# Altium PCB STM32F407Z_pcb.PcbDoc (part 1 of 2) (continued)
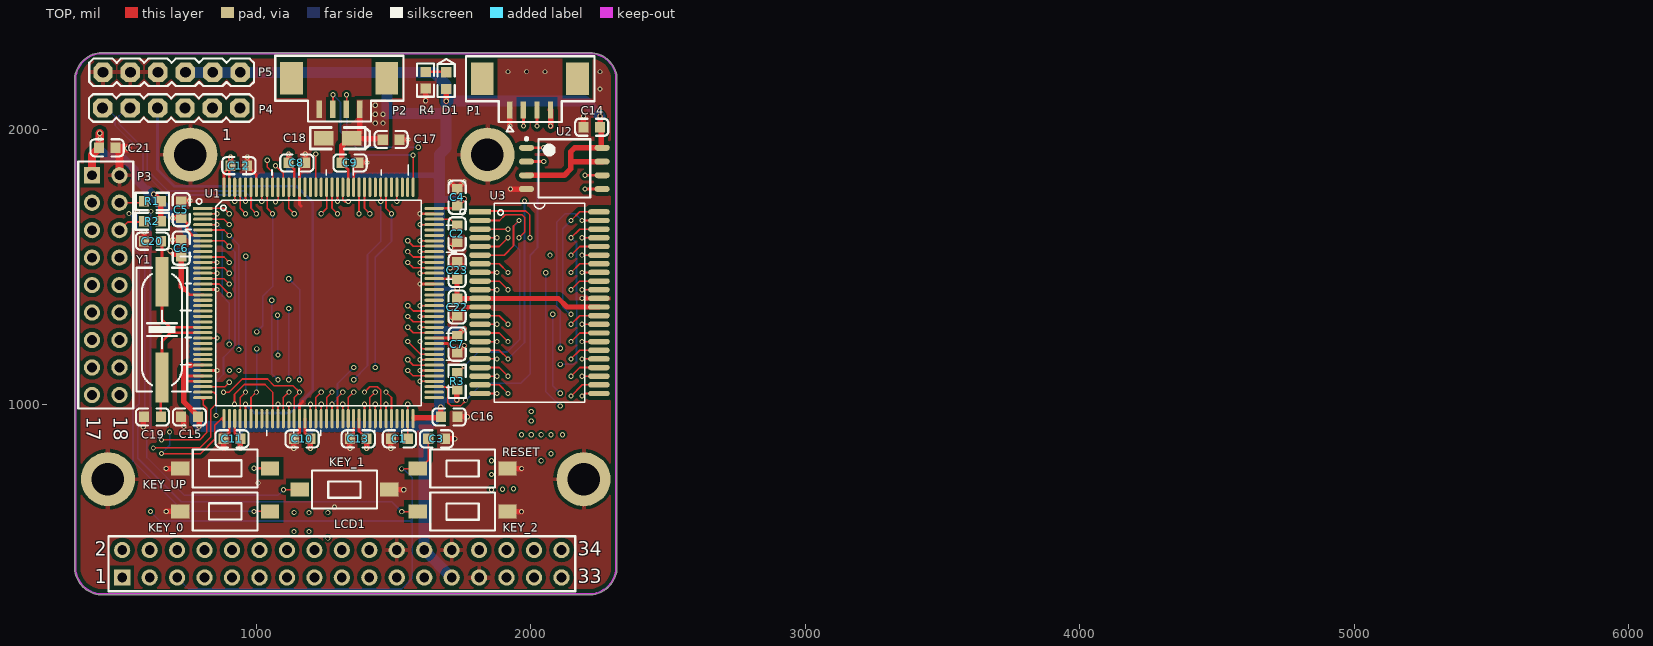
[diagram p0: TOP view]
## Free pads (board coordinates) (continued)
  round 10 on Mech1: 1(3096.07,887.23) 1(3096.07,887.23) 1(3096.07,887.23) 1(3096.07,997.08) 1(3096.07,1106.92) 1(3096.07,1216.76) 1(3096.07,1326.6) 1(3096.07,1436.45) 1(3096.07,1546.29) 1(3096.07,1656.13) 1(3096.07,1656.13) 1(5183.08,887.23) 1(5183.08,887.23) 1(5183.08,887.23) 1(5183.08,997.08) 1(5183.08,1106.92) 1(5183.08,1216.76) 1(5183.08,1326.6) 1(5183.08,1436.45) 1(5183.08,1546.29) 1(5183.08,1656.13) 1(5183.08,1656.13)

## Via types
v1: diameter 19, hole 12, TOP to BOT, tented both sides, 235 vias
v2: diameter 18, hole 12, TOP to BOT, tented both sides, 23 vias
v3: diameter 19.02, hole 12, TOP to BOT, tented both sides, 1 vias

## Nets (pads, with @x,y where several pads share a name; then routed paths per layer and width w, separated by ;. In a path a pad name is that pad's centre, name@x,y a point inside that pad or via, vN(x,y) a via of type N, cw(c..) or ccw(c..) an arc to the next point about the centre after c; other vN are vias at no path point)
5V: 
ADC1_CH1: P4.1 U1.35 | length 2366
  TOP w6: v2(625,842) 794,842 834,882 834,982 853.76,1001.76 853.76,1035.47 845,1044.24 806.7,1044.24 U1.35@805.74,1045.2
  ART02 w6: v2(625,842) 535,842 445,932 445,1909 494,1958 494,2114 495,2115 495,2129 526,2160 845.17,2160 925.17,2080 P4.1@940.74,2080
ADC1_CH2: P4.2 U1.36 | length 2065.8
  TOP w6: v2(655,871) 656,872 794,872 820,898 820,986 807,999 807,1024.25 U1.36@805.74,1025.51
  ART02 w6: v2(655,871) 560,871 459,972 459,1864 489,1894 542,1894 592,1944 592,2117 620,2145 762.27,2145 827.27,2080 P4.2@840.74,2080
ADC1_CH3: P4.3 U1.37 | length 1796.9
  TOP w6: v2@655,823 657,821 797,821 849.38,873.38 849.38,924.38 873.54,948.54 882.32,948.54 U1.37@882.51,948.74
  ART02 w6: v2(685,900) 655,900 645,890 579,890 545,924 545,1629 591,1675 591,1896 636,1941 636,1975 740.74,2079.74 P4.3@740.74,2080
  BOT w6: v2(655,822) 685,852 v2(685,900)
DAC2_OUT: P4.4 U1.41 | length 1867.9
  TOP w6: U1.41@961.25,948.74 v1@961.25,1000.32
  BOT w6: P4.4@640,2079.26 P4.4@640.74,2080
  BOT w10: P4.4@640.74,2080 640.74,1856.26 702,1795 1147,1795 1206.08,1735.92 1206.08,1052.08 1123,969 993.25,969 v1(961.25,1001)
DCMI_D0: P3.8 U1.96 | length 1711.5
  TOP w6: v1@1596.69,1478.27 v1(1597,1478.27) U1.96@1648.26,1478.27
  ART03 w6: P3.8@502,1535 622,1535 698.6,1458.4 v1(1118.73,1458.4) ; v1(1158.1,1090) 1158.1,1136.1 1500.27,1478.27 v1(1597,1478.27)
  BOT w6: v1(1118.73,1458.4) 1158.1,1419.03 v1(1158.1,1090)
DCMI_D1: P3.9 U1.97 | length 1788.6
  TOP w6: v1(1551.8,1517.64) 1571.49,1497.95 U1.97@1648.26,1497.95
  ART03 w6: P3.9@402,1435 452,1485 617,1485 722,1380 v1(1057,1380) ; v1(1079.36,1090.39) 1079.36,1118.58 1478.42,1517.64 v1(1551.8,1517.64)
  BOT w6: v1(1057,1380) 1057,1112.76 v1(1079.36,1090.39)
DCMI_D2: P3.10 U1.98 | length 1641.2
  TOP w6: v1@1596.69,1517.64 v1(1597,1517.64) U1.98@1648.26,1517.64
  ART03 w6: P3.10@502,1435 629,1435 714,1350 v1(1118.73,1350) ; v1(1118.73,1090.39) 1118.73,1126.73 1272.67,1280.67 1487,1495 1574.36,1495 v1(1597,1517.64)
  BOT w6: v1@1116.6,1090.39 v1@1117.67,1091.46 ; v1(1118.73,1090.39) v1(1118.73,1350)
DCMI_D3: P3.11 U1.99 | length 1597.5
  TOP w6: v1(1551.8,1557.01) 1571.49,1537.32 U1.99@1648.26,1537.32
  ART03 w6: P3.11@402,1335 447,1380 645,1380 700,1325 v1(1077.98,1325) v1@1079.36,1326.38 ; v1@1078.57,1181.57 1454.01,1557.01 v1(1551.8,1557.01)
  BOT w6: v1(1077.98,1325) 1078.67,1324.31 1078.67,1181.48 v1(1079.36,1180.79)
DCMI_D4: P3.12 U1.112 | length 1392.3
  TOP w6: v1@1512.43,1739.68 v1(1512.43,1740) U1.112@1512.43,1791.26
  ART03 w6: P3.12@502,1335 652,1335 682,1305 1110,1305 1263.5,1458.5 1263.5,1693.5 1285,1715 1487.43,1715 v1(1512.43,1740)
DCMI_D5: P3.13 U1.136 | length 1203.9
  TOP w6: U1.136@1039.99,1791.26 1039.99,1714.49 v1(1059.68,1694.8)
  ART03 w6: P3.13@402,1235 452,1285 664.8,1285 680.3,1269.5 936.5,1269.5 954,1252 999,1252 1002,1255 v1(1002,1264.69)
  BOT w6: v1(1002,1264.69) 1024,1286.69 1024,1394 1059.68,1429.68 v1(1059.68,1694.8)
DCMI_D6: P3.14 U1.4 | length 1205.8
  TOP w6: U1.4@805.74,1655.43 v1(857,1655.43) v1@857.32,1655.43
  ART03 w6: P3.14@502,1235 540,1235 555,1220 568,1220 575.8,1220 581,1225.2 581,1263.71 586.2,1268.91 601.8,1268.91 607,1263.71 607,1225.2 612.2,1220 627.8,1220 633,1225.2 633,1253.11 638.2,1258.31 653.8,1258.31 659,1253.11 659,1225.2 664.2,1220 679.8,1220 685,1225.2 685,1244.71 690.2,1249.91 705.8,1249.91 711,1244.71 711,1225.2 716.2,1220 731.8,1220 737,1225.2 737,1244.71 742.2,1249.91 757.8,1249.91 763,1244.71 763,1225.2 768.2,1220 783.8,1220 789,1225.2 789,1244.71 794.2,1249.91 809.8,1249.91 815,1244.71 815,1225.2 820.2,1220 883,1220 v1(901.7,1220) v1@902.7,1220
  BOT w6: v1(857,1655.43) 877,1635.43 877,1395 902,1370 902,1220.7 v1@902.7,1220
DCMI_D7: P3.15 U1.5 | length 1204.4
  TOP w6: U1.5@805.74,1635.75 882.51,1635.75 v1(902.2,1616.06)
  ART03 w6: P3.15@402,1135 452,1185 610.74,1185 625.74,1200 644,1200 657,1200 677.8,1200 683,1194.8 683,1172.28 688.2,1167.08 703.8,1167.08 709,1172.28 709,1194.8 714.2,1200 729.8,1200 735,1194.8 735,1172.28 740.2,1167.08 755.8,1167.08 761,1172.28 761,1194.8 766.2,1200 805,1200 936.91,1200 v1(937,1200.09)
  BOT w6: v1(902.2,1616.06) 937,1581.26 v1(937,1200.09) v1@936.91,1200
DCMI_HREF: P3.5 U1.40 | length 1206.6
  TOP w6: U1.40@941.57,948.74 941.57,1025.51 v1(961.25,1045.2)
  ART03 w6: P3.5@402,1635 412.15,1624.85 412.15,1612.01 429.69,1594.47 554.53,1594.47 569,1580 707,1580 747,1540 v1(962,1540)
  BOT w6: v1(961.25,1045.2) 962,1045.94 v1(962,1540)
DCMI_PCLK: P3.16 U1.42 | length 1205.6
  TOP w6: U1.42@980.94,948.74 980.94,1025.51 v1(1000.62,1045.2)
  ART03 w6: P3.16@502,1135 552,1135 565,1135 585.8,1135 591,1129.8 591,1065.18 596.2,1059.98 611.8,1059.98 617,1065.18 617,1129.8 622.2,1135 637.8,1135 643,1129.8 643,1065.18 648.2,1059.98 663.8,1059.98 669,1065.18 669,1129.8 674.2,1135 689.8,1135 695,1129.8 695,1065.18 700.2,1059.98 715.8,1059.98 721,1065.18 721,1129.8 726.2,1135 737,1135 788,1135 833,1180 979.32,1180 v1(1002,1202.68)
  BOT w6: v1(1000.62,1045.2) 1002,1046.57 v1(1002,1202.68) v1@1002,1204.06
DCMI_PWDN: P3.18 U1.124 | length 1307.9
  TOP w6: U1.124@1276.21,1791.26 1276.21,1714.49 v1(1295.9,1694.8)
  ART03 w6: P3.18@502,1035 735,1035 859,1159 992.5,1159 1295.9,1462.4 v1(1295.9,1694.8)
DCMI_RESET: P3.7 U1.132 | length 1013.7
  TOP w6: U1.132@1118.73,1791.26 1118.73,1714.49 v1(1138.42,1694.8)
  ART03 w6: P3.7@402,1535 412.15,1545.15 412.15,1555.15 432.53,1575.53 538.62,1575.53 557.15,1557 645,1557 703.86,1498.14 1004.16,1498.14 1138.42,1632.39 v1(1138.42,1694.8)
DCMI_SCL: P3.4 R1.1 U1.122 | length 1052
  TOP w6: P3.4@502,1735 R1.1@586.69,1735 ; U1.122@1315.58,1791.26 1315.58,1744.09 1322.19,1737.49 1333.5,1737.49 v1(1335.27,1739.25)
  ART03 w6: P3.4@502,1735 556,1789 913.83,1789 937.83,1765 1137,1765 1162,1790 1284.52,1790 v1(1335.27,1739.25)
DCMI_SDA: P3.6 R2.1 U1.123 | length 1088.5
  TOP w6: P3.6@502,1635 531.67,1664.67 R2.1@588.86,1664.67 ; v1@1295.9,1739.68 v1(1295.9,1740) U1.123@1295.9,1791.26
  ART03 w6: P3.6@502,1635 537,1635 563,1609 603,1609 613.5,1619.5 763.5,1619.5 786.44,1596.56 1074.56,1596.56 1113.5,1635.5 1113.5,1706.5 1169,1762 1273.9,1762 v1(1295.9,1740)
DCMI_VSYNC: P3.3 U1.137 | length 1233.8
  TOP w6: v1@1020.31,1739.68 v1(1020.31,1740) U1.137@1020.31,1791.26
  ART03 w6: P3.3@402,1735 407,1735 455,1687 508,1687 546,1649 603,1649 609.53,1642.47 631,1642.47 638.8,1642.47 644,1647.67 644,1667.27 649.2,1672.47 664.8,1672.47 670,1667.27 670,1647.67 675.2,1642.47 691,1642.47 717,1642.47 724.8,1642.47 730,1647.67 730,1675.48 735.2,1680.68 750.8,1680.68 756,1675.48 756,1647.67 761.2,1642.47 764,1642.47 775,1642.47 776.53,1642.47 783.07,1635.93 793,1635.93 800.8,1635.93 806,1641.13 806,1655.8 811.2,1661 826.8,1661 832,1655.8 832,1641.13 837.2,1635.93 850,1635.93 920,1635.93 927.8,1635.93 933,1641.13 933,1660.73 938.2,1665.93 953.8,1665.93 959,1660.73 959,1641.13 964.2,1635.93 979.8,1635.93 985,1641.13 985,1660.73 990.2,1665.93 1005.8,1665.93 1011,1660.73 1011,1641.13 1016.2,1635.93 1031.8,1635.93 1037,1641.13 1037,1660.73 1042.2,1665.93 1057.8,1665.93 1063,1660.73 1063,1641.13 1068.2,1635.93 1077.93,1635.93 1078,1636 1087.87,1636 1093,1641.13 1093,1711 1087,1717 1043.31,1717 v1(1020.31,1740)
DCMI_XCLK: P3.17 U1.100 | length 1508
  TOP w6: v1(1597,1557.01) U1.100@1648.26,1557.01
  ART03 w6: P3.17@402,1035 457,980 743.76,980 866.76,1103 1034.76,1103 1468.9,1537.14 1570.93,1537.14 1588.32,1554.52 1594.51,1554.52 v1(1597,1557.01)
F_CS: U1.75 U2.1 | length 1361.3
  TOP w6: U1.75@1648.26,1064.88 1649.22,1063.92 1690.08,1063.92 1698,1056 1698,1007 1710,995 1744,995 v2@1763,1014
  TOP w10: U2.1@1984.6,1935 v1(2047,1935)
  BOT w6: v2(1763,1016) 1824,1077 1964,1077 1998,1111 1998,1544 2024.76,1570.76 2024.76,1912.76 v1(2047,1935)
FSMC_A0: U1.10 U3.5 | length 1280.8
  TOP w6: U1.10@805.74,1537.32 882.51,1537.32 v1(902.2,1517.64) ; U3.5@1815.31,1575.67 1885.5,1575.67 v1(1917,1607.16)
  ART02 w6: v1(902.2,1517.64) 902.77,1517.07 1505.93,1517.07 1526,1537.14 1635.14,1537.14 1696,1598 1846,1598 1857,1587 1896.84,1587 v1(1917,1607.16)
FSMC_A1: U1.11 U3.4 | length 1184.3
  TOP w6: U1.11@805.74,1517.64 v1(857,1517.64) v1@857.32,1517.64 ; U3.4@1815.31,1607.17 v1(1877,1607.17)
  ART02 w6: v1(857,1517.64) 881.36,1542 914,1542 948.63,1576.63 1466.41,1576.63 1466.48,1576.69 1645.69,1576.69 1693,1624 1860.17,1624 v1(1877,1607.17)
FSMC_A2: U1.12 U3.3 | length 1381.3
  TOP w6: U1.12@805.74,1497.95 882.51,1497.95 v1(902.2,1478.27) ; U3.3@1815.31,1638.66 v1(1917,1638.66)
  ART02 w6: v1(902.2,1478.27) 971.73,1478.27 1015,1435 1507,1435 1570.14,1498.14 1638.14,1498.14 1688,1548 1769,1548 1793,1572 1921,1572 1937,1588 1937,1618.66 v1(1917,1638.66)
FSMC_A3: U1.13 U3.2 | length 1537.8
  TOP w6: U1.13@805.74,1478.27 v3(857,1478.27) v3@857.32,1478.27 ; U3.2@1815.31,1670.16 1886.16,1670.16 1907,1691 1968,1691 1978,1681 1978,1628.17 v1(1957,1607.17)
  ART02 w6: v3(857,1478.27) 876.5,1458.77 946.03,1458.77 994.8,1410 1522,1410 1570.4,1458.4 1637.4,1458.4 1703,1524 1783.25,1524 1813.25,1554 1935,1554 1957,1576 v1(1957,1607.17)